# KiCad board APA102_Matrix.kicad_pcb (continued)
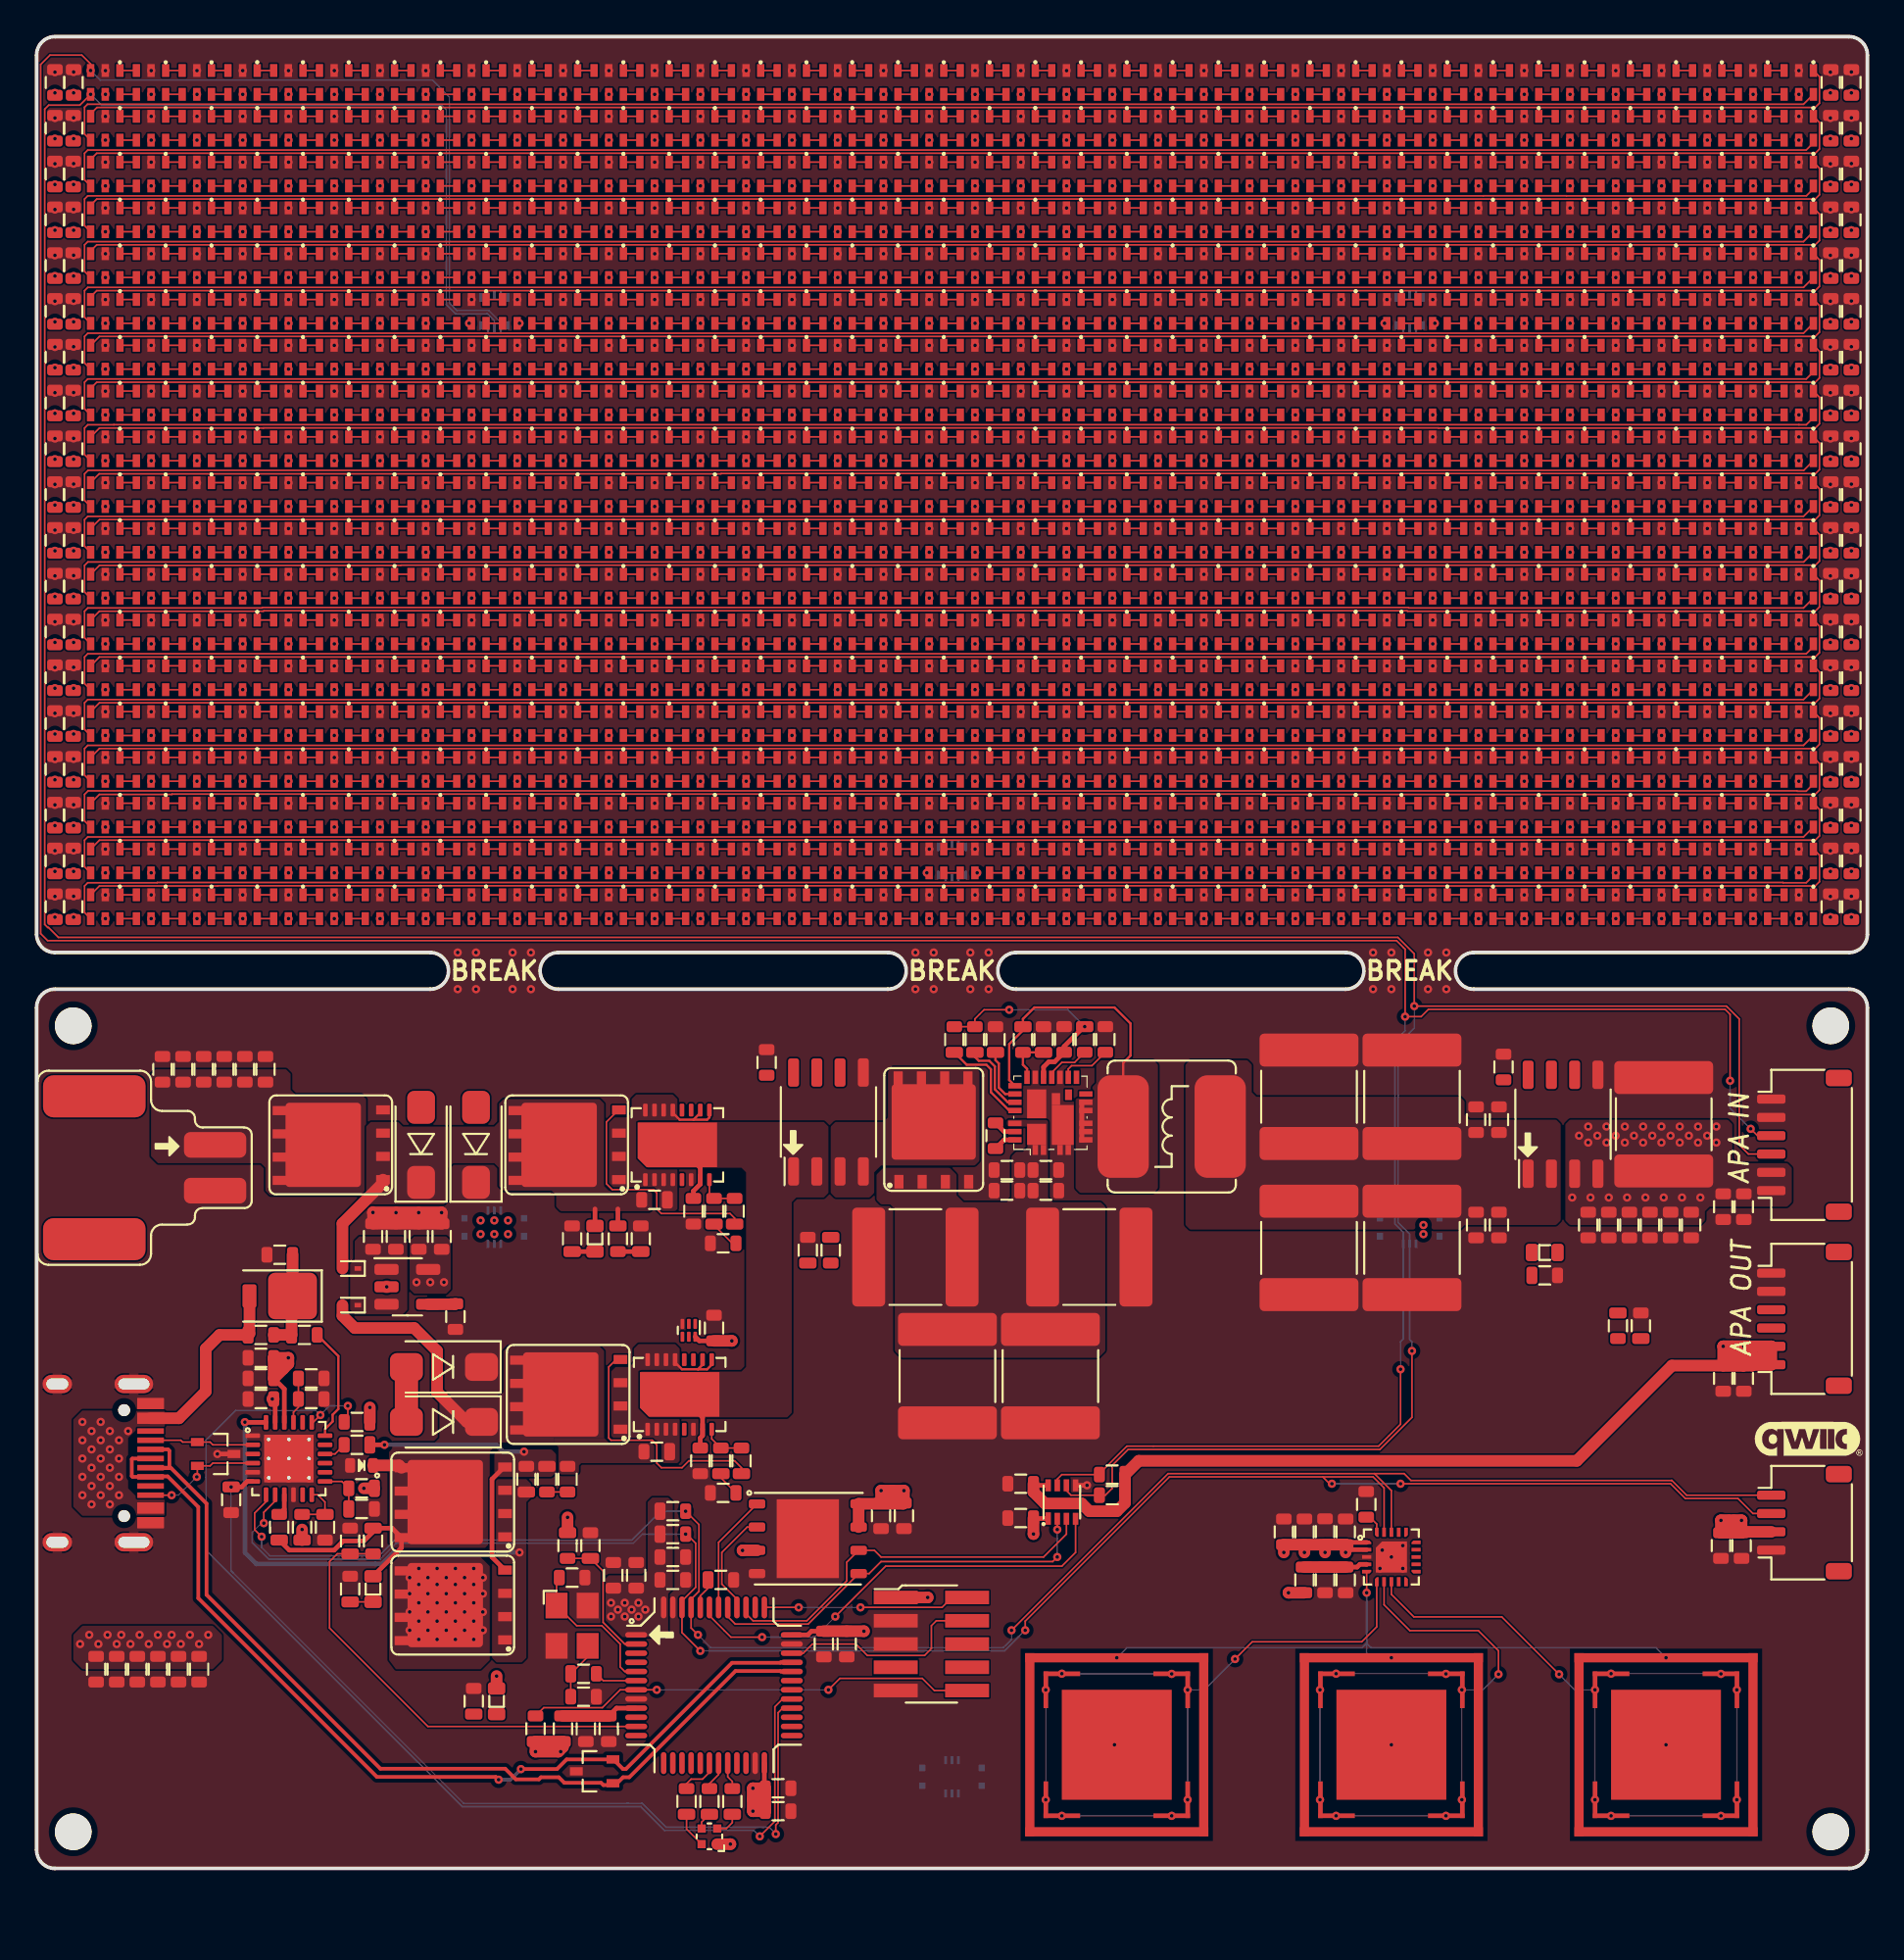
[diagram p0: board, top side]
## Routing (per net, layer and track width the routed paths; a pad name or vN(x,y) marks a point on that pad's centre or on a via; arc(x,y) is an arc through that point) (continued)
Net-(D315-Pad1): length 0.9
  F_PWR_SIGNAL.Cu w0.089: D315.1 D316.3
Net-(D315-Pad6): length 0.9
  F_PWR_SIGNAL.Cu w0.089: D315.6 D316.4
Net-(D316-Pad1): length 0.9
  F_PWR_SIGNAL.Cu w0.089: D316.1 D317.3
Net-(D316-Pad6): length 0.9
  F_PWR_SIGNAL.Cu w0.089: D316.6 D317.4
Net-(D317-Pad1): length 0.9
  F_PWR_SIGNAL.Cu w0.089: D317.1 D318.3
Net-(D317-Pad6): length 0.9
  F_PWR_SIGNAL.Cu w0.089: D317.6 D318.4
Net-(D318-Pad1): length 0.9
  F_PWR_SIGNAL.Cu w0.089: D318.1 D319.3
Net-(D318-Pad6): length 0.9
  F_PWR_SIGNAL.Cu w0.089: D318.6 D319.4
Net-(D319-Pad1): length 0.9
  F_PWR_SIGNAL.Cu w0.089: D319.1 D320.3
Net-(D319-Pad6): length 0.9
  F_PWR_SIGNAL.Cu w0.089: D319.6 D320.4
Net-(D320-Pad1): length 0.9
  F_PWR_SIGNAL.Cu w0.089: D320.1 D321.3
Net-(D320-Pad6): length 0.9
  F_PWR_SIGNAL.Cu w0.089: D320.6 D321.4
Net-(D321-Pad1): length 0.9
  F_PWR_SIGNAL.Cu w0.089: D321.1 D322.3
Net-(D321-Pad6): length 0.9
  F_PWR_SIGNAL.Cu w0.089: D321.6 D322.4
Net-(D322-Pad1): length 0.9
  F_PWR_SIGNAL.Cu w0.089: D322.1 D323.3
Net-(D322-Pad6): length 0.9
  F_PWR_SIGNAL.Cu w0.089: D322.6 D323.4
Net-(D323-Pad1): length 0.9
  F_PWR_SIGNAL.Cu w0.089: D323.1 D324.3
Net-(D323-Pad6): length 0.9
  F_PWR_SIGNAL.Cu w0.089: D323.6 D324.4
Net-(D324-Pad1): length 0.9
  F_PWR_SIGNAL.Cu w0.089: D324.1 D325.3
Net-(D324-Pad6): length 0.9
  F_PWR_SIGNAL.Cu w0.089: D324.6 D325.4
Net-(D325-Pad1): length 0.9
  F_PWR_SIGNAL.Cu w0.089: D325.1 D326.3
Net-(D325-Pad6): length 0.9
  F_PWR_SIGNAL.Cu w0.089: D325.6 D326.4
Net-(D326-Pad1): length 0.9
  F_PWR_SIGNAL.Cu w0.089: D326.1 D327.3
Net-(D326-Pad6): length 0.9
  F_PWR_SIGNAL.Cu w0.089: D326.6 D327.4
Net-(D327-Pad1): length 0.9
  F_PWR_SIGNAL.Cu w0.089: D327.1 D328.3
Net-(D327-Pad6): length 0.9
  F_PWR_SIGNAL.Cu w0.089: D327.6 D328.4
Net-(D328-Pad1): length 0.9
  F_PWR_SIGNAL.Cu w0.089: D328.1 D329.3
Net-(D328-Pad6): length 0.9
  F_PWR_SIGNAL.Cu w0.089: D328.6 D329.4
Net-(D329-Pad1): length 0.9
  F_PWR_SIGNAL.Cu w0.089: D329.1 D330.3
Net-(D329-Pad6): length 0.9
  F_PWR_SIGNAL.Cu w0.089: D329.6 D330.4
Net-(D330-Pad1): length 0.9
  F_PWR_SIGNAL.Cu w0.089: D330.1 D331.3
Net-(D330-Pad6): length 0.9
  F_PWR_SIGNAL.Cu w0.089: D330.6 D331.4
Net-(D331-Pad1): length 0.9
  F_PWR_SIGNAL.Cu w0.089: D331.1 D332.3
Net-(D331-Pad6): length 0.9
  F_PWR_SIGNAL.Cu w0.089: D331.6 D332.4
Net-(D332-Pad1): length 0.9
  F_PWR_SIGNAL.Cu w0.089: D332.1 D333.3
Net-(D332-Pad6): length 0.9
  F_PWR_SIGNAL.Cu w0.089: D332.6 D333.4
Net-(D333-Pad1): length 0.9
  F_PWR_SIGNAL.Cu w0.089: D333.1 D334.3
Net-(D333-Pad6): length 0.9
  F_PWR_SIGNAL.Cu w0.089: D333.6 D334.4
Net-(D334-Pad1): length 0.9
  F_PWR_SIGNAL.Cu w0.089: D334.1 D335.3
Net-(D334-Pad6): length 0.9
  F_PWR_SIGNAL.Cu w0.089: D334.6 D335.4
Net-(D335-Pad1): length 0.9
  F_PWR_SIGNAL.Cu w0.089: D335.1 D336.3
Net-(D335-Pad6): length 0.9
  F_PWR_SIGNAL.Cu w0.089: D335.6 D336.4
Net-(D336-Pad1): length 0.9
  F_PWR_SIGNAL.Cu w0.089: D336.1 D337.3
Net-(D336-Pad6): length 0.9
  F_PWR_SIGNAL.Cu w0.089: D336.6 D337.4
Net-(D337-Pad1): length 0.9
  F_PWR_SIGNAL.Cu w0.089: D337.1 D338.3
Net-(D337-Pad6): length 0.9
  F_PWR_SIGNAL.Cu w0.089: D337.6 D338.4
Net-(D338-Pad1): length 0.9
  F_PWR_SIGNAL.Cu w0.089: D338.1 D339.3
Net-(D338-Pad6): length 0.9
  F_PWR_SIGNAL.Cu w0.089: D338.6 D339.4
Net-(D339-Pad1): length 0.9
  F_PWR_SIGNAL.Cu w0.089: D339.1 D340.3
Net-(D339-Pad6): length 0.9
  F_PWR_SIGNAL.Cu w0.089: D339.6 D340.4
Net-(D340-Pad1): length 0.9
  F_PWR_SIGNAL.Cu w0.089: D340.1 D341.3
Net-(D340-Pad6): length 0.9
  F_PWR_SIGNAL.Cu w0.089: D340.6 D341.4
Net-(D341-Pad1): length 0.9
  F_PWR_SIGNAL.Cu w0.089: D341.1 D342.3
Net-(D341-Pad6): length 0.9
  F_PWR_SIGNAL.Cu w0.089: D341.6 D342.4
Net-(D343-Pad1): length 0.9
  F_PWR_SIGNAL.Cu w0.089: D343.1 D344.3
Net-(D343-Pad6): length 0.9
  F_PWR_SIGNAL.Cu w0.089: D343.6 D344.4
Net-(D344-Pad1): length 0.9
  F_PWR_SIGNAL.Cu w0.089: D344.1 D345.3
Net-(D344-Pad6): length 0.9
  F_PWR_SIGNAL.Cu w0.089: D344.6 D345.4
Net-(D345-Pad1): length 0.9
  F_PWR_SIGNAL.Cu w0.089: D345.1 D346.3
Net-(D345-Pad6): length 0.9
  F_PWR_SIGNAL.Cu w0.089: D345.6 D346.4
Net-(D346-Pad1): length 0.9
  F_PWR_SIGNAL.Cu w0.089: D346.1 D347.3
Net-(D346-Pad6): length 0.9
  F_PWR_SIGNAL.Cu w0.089: D346.6 D347.4
Net-(D347-Pad1): length 0.9
  F_PWR_SIGNAL.Cu w0.089: D347.1 D348.3
Net-(D347-Pad6): length 0.9
  F_PWR_SIGNAL.Cu w0.089: D347.6 D348.4
Net-(D348-Pad1): length 0.9
  F_PWR_SIGNAL.Cu w0.089: D348.1 D349.3
Net-(D348-Pad6): length 0.9
  F_PWR_SIGNAL.Cu w0.089: D348.6 D349.4
Net-(D349-Pad1): length 0.9
  F_PWR_SIGNAL.Cu w0.089: D349.1 D350.3
Net-(D349-Pad6): length 0.9
  F_PWR_SIGNAL.Cu w0.089: D349.6 D350.4
Net-(D350-Pad1): length 0.9
  F_PWR_SIGNAL.Cu w0.089: D350.1 D351.3
Net-(D350-Pad6): length 0.9
  F_PWR_SIGNAL.Cu w0.089: D350.6 D351.4
Net-(D351-Pad1): length 0.9
  F_PWR_SIGNAL.Cu w0.089: D351.1 D352.3
Net-(D351-Pad6): length 0.9
  F_PWR_SIGNAL.Cu w0.089: D351.6 D352.4
Net-(D352-Pad1): length 0.9
  F_PWR_SIGNAL.Cu w0.089: D352.1 D353.3
Net-(D352-Pad6): length 0.9
  F_PWR_SIGNAL.Cu w0.089: D352.6 D353.4
Net-(D353-Pad1): length 0.9
  F_PWR_SIGNAL.Cu w0.089: D353.1 D354.3
Net-(D353-Pad6): length 0.9
  F_PWR_SIGNAL.Cu w0.089: D353.6 D354.4
Net-(D354-Pad1): length 0.9
  F_PWR_SIGNAL.Cu w0.089: D354.1 D355.3
Net-(D354-Pad6): length 0.9
  F_PWR_SIGNAL.Cu w0.089: D354.6 D355.4
Net-(D355-Pad1): length 0.9
  F_PWR_SIGNAL.Cu w0.089: D355.1 D356.3
Net-(D355-Pad6): length 0.9
  F_PWR_SIGNAL.Cu w0.089: D355.6 D356.4
Net-(D356-Pad1): length 0.9
  F_PWR_SIGNAL.Cu w0.089: D356.1 D357.3
Net-(D356-Pad6): length 0.9
  F_PWR_SIGNAL.Cu w0.089: D356.6 D357.4
Net-(D357-Pad1): length 0.9
  F_PWR_SIGNAL.Cu w0.089: D357.1 D358.3
Net-(D357-Pad6): length 0.9
  F_PWR_SIGNAL.Cu w0.089: D357.6 D358.4
Net-(D358-Pad1): length 0.9
  F_PWR_SIGNAL.Cu w0.089: D358.1 D359.3
Net-(D358-Pad6): length 0.9
  F_PWR_SIGNAL.Cu w0.089: D358.6 D359.4
Net-(D359-Pad1): length 0.9
  F_PWR_SIGNAL.Cu w0.089: D359.1 D360.3
Net-(D359-Pad6): length 0.9
  F_PWR_SIGNAL.Cu w0.089: D359.6 D360.4
Net-(D360-Pad1): length 0.9
  F_PWR_SIGNAL.Cu w0.089: D360.1 D361.3
Net-(D360-Pad6): length 0.9
  F_PWR_SIGNAL.Cu w0.089: D360.6 D361.4
Net-(D361-Pad1): length 0.9
  F_PWR_SIGNAL.Cu w0.089: D361.1 D362.3
Net-(D361-Pad6): length 0.9
  F_PWR_SIGNAL.Cu w0.089: D361.6 D362.4
Net-(D362-Pad1): length 0.9
  F_PWR_SIGNAL.Cu w0.089: D362.1 D363.3
Net-(D362-Pad6): length 0.9
  F_PWR_SIGNAL.Cu w0.089: D362.6 D363.4
Net-(D363-Pad1): length 0.9
  F_PWR_SIGNAL.Cu w0.089: D363.1 D364.3
Net-(D363-Pad6): length 0.9
  F_PWR_SIGNAL.Cu w0.089: D363.6 D364.4
Net-(D364-Pad1): length 0.9
  F_PWR_SIGNAL.Cu w0.089: D364.1 D365.3
Net-(D364-Pad6): length 0.9
  F_PWR_SIGNAL.Cu w0.089: D364.6 D365.4
Net-(D365-Pad1): length 0.9
  F_PWR_SIGNAL.Cu w0.089: D365.1 D366.3
Net-(D365-Pad6): length 0.9
  F_PWR_SIGNAL.Cu w0.089: D365.6 D366.4
Net-(D366-Pad1): length 0.9
  F_PWR_SIGNAL.Cu w0.089: D366.1 D367.3
Net-(D366-Pad6): length 0.9
  F_PWR_SIGNAL.Cu w0.089: D366.6 D367.4
Net-(D367-Pad1): length 0.9
  F_PWR_SIGNAL.Cu w0.089: D367.1 D368.3
Net-(D367-Pad6): length 0.9
  F_PWR_SIGNAL.Cu w0.089: D367.6 D368.4
Net-(D368-Pad1): length 0.9
  F_PWR_SIGNAL.Cu w0.089: D368.1 D369.3
Net-(D368-Pad6): length 0.9
  F_PWR_SIGNAL.Cu w0.089: D368.6 D369.4
Net-(D369-Pad1): length 0.9
  F_PWR_SIGNAL.Cu w0.089: D369.1 D370.3
Net-(D369-Pad6): length 0.9
  F_PWR_SIGNAL.Cu w0.089: D369.6 D370.4
Net-(D370-Pad1): length 0.9
  F_PWR_SIGNAL.Cu w0.089: D370.1 D371.3
Net-(D370-Pad6): length 0.9
  F_PWR_SIGNAL.Cu w0.089: D370.6 D371.4
Net-(D371-Pad1): length 0.9
  F_PWR_SIGNAL.Cu w0.089: D371.1 D372.3
Net-(D371-Pad6): length 0.9
  F_PWR_SIGNAL.Cu w0.089: D371.6 D372.4
Net-(D372-Pad1): length 0.9
  F_PWR_SIGNAL.Cu w0.089: D372.1 D373.3
Net-(D372-Pad6): length 0.9
  F_PWR_SIGNAL.Cu w0.089: D372.6 D373.4
Net-(D373-Pad1): length 0.9
  F_PWR_SIGNAL.Cu w0.089: D373.1 D374.3
Net-(D373-Pad6): length 0.9
  F_PWR_SIGNAL.Cu w0.089: D373.6 D374.4
Net-(D374-Pad1): length 0.9
  F_PWR_SIGNAL.Cu w0.089: D374.1 D375.3
Net-(D374-Pad6): length 0.9
  F_PWR_SIGNAL.Cu w0.089: D374.6 D375.4
Net-(D375-Pad1): length 0.9
  F_PWR_SIGNAL.Cu w0.089: D375.1 D376.3
Net-(D375-Pad6): length 0.9
  F_PWR_SIGNAL.Cu w0.089: D375.6 D376.4
Net-(D376-Pad1): length 0.9
  F_PWR_SIGNAL.Cu w0.089: D376.1 D377.3
Net-(D376-Pad6): length 0.9
  F_PWR_SIGNAL.Cu w0.089: D376.6 D377.4
Net-(D377-Pad1): length 0.9
  F_PWR_SIGNAL.Cu w0.089: D377.1 D378.3
Net-(D377-Pad6): length 0.9
  F_PWR_SIGNAL.Cu w0.089: D377.6 D378.4
Net-(D378-Pad1): length 0.9
  F_PWR_SIGNAL.Cu w0.089: D378.1 D379.3
Net-(D378-Pad6): length 0.9
  F_PWR_SIGNAL.Cu w0.089: D378.6 D379.4
Net-(D379-Pad1): length 0.9
  F_PWR_SIGNAL.Cu w0.089: D379.1 D380.3
Net-(D379-Pad6): length 0.9
  F_PWR_SIGNAL.Cu w0.089: D379.6 D380.4
Net-(D381-Pad1): length 0.9
  F_PWR_SIGNAL.Cu w0.089: D381.1 D382.3
Net-(D381-Pad6): length 0.9
  F_PWR_SIGNAL.Cu w0.089: D381.6 D382.4
Net-(D382-Pad1): length 0.9
  F_PWR_SIGNAL.Cu w0.089: D382.1 D383.3
Net-(D382-Pad6): length 0.9
  F_PWR_SIGNAL.Cu w0.089: D382.6 D383.4
Net-(D383-Pad1): length 0.9
  F_PWR_SIGNAL.Cu w0.089: D383.1 D384.3
Net-(D383-Pad6): length 0.9
  F_PWR_SIGNAL.Cu w0.089: D383.6 D384.4
Net-(D384-Pad1): length 0.9
  F_PWR_SIGNAL.Cu w0.089: D384.1 D385.3
Net-(D384-Pad6): length 0.9
  F_PWR_SIGNAL.Cu w0.089: D384.6 D385.4
Net-(D385-Pad1): length 0.9
  F_PWR_SIGNAL.Cu w0.089: D385.1 D386.3
Net-(D385-Pad6): length 0.9
  F_PWR_SIGNAL.Cu w0.089: D385.6 D386.4
Net-(D386-Pad1): length 0.9
  F_PWR_SIGNAL.Cu w0.089: D386.1 D387.3
Net-(D386-Pad6): length 0.9
  F_PWR_SIGNAL.Cu w0.089: D386.6 D387.4
Net-(D387-Pad1): length 0.9
  F_PWR_SIGNAL.Cu w0.089: D387.1 D388.3
Net-(D387-Pad6): length 0.9
  F_PWR_SIGNAL.Cu w0.089: D387.6 D388.4
Net-(D388-Pad1): length 0.9
  F_PWR_SIGNAL.Cu w0.089: D388.1 D389.3
Net-(D388-Pad6): length 0.9
  F_PWR_SIGNAL.Cu w0.089: D388.6 D389.4
Net-(D389-Pad1): length 0.9
  F_PWR_SIGNAL.Cu w0.089: D389.1 D390.3
Net-(D389-Pad6): length 0.9
  F_PWR_SIGNAL.Cu w0.089: D389.6 D390.4
Net-(D390-Pad1): length 0.9
  F_PWR_SIGNAL.Cu w0.089: D390.1 D391.3
Net-(D390-Pad6): length 0.9
  F_PWR_SIGNAL.Cu w0.089: D390.6 D391.4
Net-(D391-Pad1): length 0.9
  F_PWR_SIGNAL.Cu w0.089: D391.1 D392.3
Net-(D391-Pad6): length 0.9
  F_PWR_SIGNAL.Cu w0.089: D391.6 D392.4
Net-(D392-Pad1): length 0.9
  F_PWR_SIGNAL.Cu w0.089: D392.1 D393.3
Net-(D392-Pad6): length 0.9
  F_PWR_SIGNAL.Cu w0.089: D392.6 D393.4
Net-(D393-Pad1): length 0.9
  F_PWR_SIGNAL.Cu w0.089: D393.1 D394.3
Net-(D393-Pad6): length 0.9
  F_PWR_SIGNAL.Cu w0.089: D393.6 D394.4
Net-(D394-Pad1): length 0.9
  F_PWR_SIGNAL.Cu w0.089: D394.1 D395.3
Net-(D394-Pad6): length 0.9
  F_PWR_SIGNAL.Cu w0.089: D394.6 D395.4
Net-(D395-Pad1): length 0.9
  F_PWR_SIGNAL.Cu w0.089: D395.1 D396.3
Net-(D395-Pad6): length 0.9
  F_PWR_SIGNAL.Cu w0.089: D395.6 D396.4
Net-(D396-Pad1): length 0.9
  F_PWR_SIGNAL.Cu w0.089: D396.1 D397.3
Net-(D396-Pad6): length 0.9
  F_PWR_SIGNAL.Cu w0.089: D396.6 D397.4
Net-(D397-Pad1): length 0.9
  F_PWR_SIGNAL.Cu w0.089: D397.1 D398.3
Net-(D397-Pad6): length 0.9
  F_PWR_SIGNAL.Cu w0.089: D397.6 D398.4
Net-(D398-Pad1): length 0.9
  F_PWR_SIGNAL.Cu w0.089: D398.1 D399.3
Net-(D398-Pad6): length 0.9
  F_PWR_SIGNAL.Cu w0.089: D398.6 D399.4
Net-(D399-Pad1): length 0.9
  F_PWR_SIGNAL.Cu w0.089: D399.1 D400.3
Net-(D399-Pad6): length 0.9
  F_PWR_SIGNAL.Cu w0.089: D399.6 D400.4
Net-(D400-Pad1): length 0.9
  F_PWR_SIGNAL.Cu w0.089: D400.1 D401.3
Net-(D400-Pad6): length 0.9
  F_PWR_SIGNAL.Cu w0.089: D400.6 D401.4
Net-(D401-Pad1): length 0.9
  F_PWR_SIGNAL.Cu w0.089: D401.1 D402.3
Net-(D401-Pad6): length 0.9
  F_PWR_SIGNAL.Cu w0.089: D401.6 D402.4
Net-(D402-Pad1): length 0.9
  F_PWR_SIGNAL.Cu w0.089: D402.1 D403.3
Net-(D402-Pad6): length 0.9
  F_PWR_SIGNAL.Cu w0.089: D402.6 D403.4
Net-(D403-Pad1): length 0.9
  F_PWR_SIGNAL.Cu w0.089: D403.1 D404.3
Net-(D403-Pad6): length 0.9
  F_PWR_SIGNAL.Cu w0.089: D403.6 D404.4
Net-(D404-Pad1): length 0.9
  F_PWR_SIGNAL.Cu w0.089: D404.1 D405.3
Net-(D404-Pad6): length 0.9
  F_PWR_SIGNAL.Cu w0.089: D404.6 D405.4
Net-(D405-Pad1): length 0.9
  F_PWR_SIGNAL.Cu w0.089: D405.1 D406.3
Net-(D405-Pad6): length 0.9
  F_PWR_SIGNAL.Cu w0.089: D405.6 D406.4
Net-(D406-Pad1): length 0.9
  F_PWR_SIGNAL.Cu w0.089: D406.1 D407.3
Net-(D406-Pad6): length 0.9
  F_PWR_SIGNAL.Cu w0.089: D406.6 D407.4
Net-(D407-Pad1): length 0.9
  F_PWR_SIGNAL.Cu w0.089: D407.1 D408.3
Net-(D407-Pad6): length 0.9
  F_PWR_SIGNAL.Cu w0.089: D407.6 D408.4
Net-(D408-Pad1): length 0.9
  F_PWR_SIGNAL.Cu w0.089: D408.1 D409.3
Net-(D408-Pad6): length 0.9
  F_PWR_SIGNAL.Cu w0.089: D408.6 D409.4
Net-(D409-Pad1): length 0.9
  F_PWR_SIGNAL.Cu w0.089: D409.1 D410.3
Net-(D409-Pad6): length 0.9
  F_PWR_SIGNAL.Cu w0.089: D409.6 D410.4
Net-(D410-Pad1): length 0.9
  F_PWR_SIGNAL.Cu w0.089: D410.1 D411.3
Net-(D410-Pad6): length 0.9
  F_PWR_SIGNAL.Cu w0.089: D410.6 D411.4
Net-(D411-Pad1): length 0.9
  F_PWR_SIGNAL.Cu w0.089: D411.1 D412.3
Net-(D411-Pad6): length 0.9
  F_PWR_SIGNAL.Cu w0.089: D411.6 D412.4
Net-(D412-Pad1): length 0.9
  F_PWR_SIGNAL.Cu w0.089: D412.1 D413.3
Net-(D412-Pad6): length 0.9
  F_PWR_SIGNAL.Cu w0.089: D412.6 D413.4
Net-(D413-Pad1): length 0.9
  F_PWR_SIGNAL.Cu w0.089: D413.1 D414.3
Net-(D413-Pad6): length 0.9
  F_PWR_SIGNAL.Cu w0.089: D413.6 D414.4
Net-(D414-Pad1): length 0.9
  F_PWR_SIGNAL.Cu w0.089: D414.1 D415.3
Net-(D414-Pad6): length 0.9
  F_PWR_SIGNAL.Cu w0.089: D414.6 D415.4
Net-(D415-Pad1): length 0.9
  F_PWR_SIGNAL.Cu w0.089: D415.1 D416.3
Net-(D415-Pad6): length 0.9
  F_PWR_SIGNAL.Cu w0.089: D415.6 D416.4
Net-(D416-Pad1): length 0.9
  F_PWR_SIGNAL.Cu w0.089: D416.1 D417.3
Net-(D416-Pad6): length 0.9
  F_PWR_SIGNAL.Cu w0.089: D416.6 D417.4
Net-(D417-Pad1): length 0.9
  F_PWR_SIGNAL.Cu w0.089: D417.1 D418.3
Net-(D417-Pad6): length 0.9
  F_PWR_SIGNAL.Cu w0.089: D417.6 D418.4
Net-(D419-Pad1): length 0.9
  F_PWR_SIGNAL.Cu w0.089: D419.1 D420.3
Net-(D419-Pad6): length 0.9
  F_PWR_SIGNAL.Cu w0.089: D419.6 D420.4
Net-(D420-Pad1): length 0.9
  F_PWR_SIGNAL.Cu w0.089: D420.1 D421.3
Net-(D420-Pad6): length 0.9
  F_PWR_SIGNAL.Cu w0.089: D420.6 D421.4
Net-(D421-Pad1): length 0.9
  F_PWR_SIGNAL.Cu w0.089: D421.1 D422.3
Net-(D421-Pad6): length 0.9
  F_PWR_SIGNAL.Cu w0.089: D421.6 D422.4
Net-(D422-Pad1): length 0.9
  F_PWR_SIGNAL.Cu w0.089: D422.1 D423.3
Net-(D422-Pad6): length 0.9
  F_PWR_SIGNAL.Cu w0.089: D422.6 D423.4
Net-(D423-Pad1): length 0.9
  F_PWR_SIGNAL.Cu w0.089: D423.1 D424.3
Net-(D423-Pad6): length 0.9
  F_PWR_SIGNAL.Cu w0.089: D423.6 D424.4
Net-(D424-Pad1): length 0.9
  F_PWR_SIGNAL.Cu w0.089: D424.1 D425.3
Net-(D424-Pad6): length 0.9
  F_PWR_SIGNAL.Cu w0.089: D424.6 D425.4
Net-(D425-Pad1): length 0.9
  F_PWR_SIGNAL.Cu w0.089: D425.1 D426.3
Net-(D425-Pad6): length 0.9
  F_PWR_SIGNAL.Cu w0.089: D425.6 D426.4
Net-(D426-Pad1): length 0.9
  F_PWR_SIGNAL.Cu w0.089: D426.1 D427.3
Net-(D426-Pad6): length 0.9
  F_PWR_SIGNAL.Cu w0.089: D426.6 D427.4
Net-(D427-Pad1): length 0.9
  F_PWR_SIGNAL.Cu w0.089: D427.1 D428.3
Net-(D427-Pad6): length 0.9
  F_PWR_SIGNAL.Cu w0.089: D427.6 D428.4
Net-(D428-Pad1): length 0.9
  F_PWR_SIGNAL.Cu w0.089: D428.1 D429.3
Net-(D428-Pad6): length 0.9
  F_PWR_SIGNAL.Cu w0.089: D428.6 D429.4
Net-(D429-Pad1): length 0.9
  F_PWR_SIGNAL.Cu w0.089: D429.1 D430.3
Net-(D429-Pad6): length 0.9
  F_PWR_SIGNAL.Cu w0.089: D429.6 D430.4
Net-(D430-Pad1): length 0.9
  F_PWR_SIGNAL.Cu w0.089: D430.1 D431.3
Net-(D430-Pad6): length 0.9
  F_PWR_SIGNAL.Cu w0.089: D430.6 D431.4
Net-(D431-Pad1): length 0.9
  F_PWR_SIGNAL.Cu w0.089: D431.1 D432.3
Net-(D431-Pad6): length 0.9
  F_PWR_SIGNAL.Cu w0.089: D431.6 D432.4
Net-(D432-Pad1): length 0.9
  F_PWR_SIGNAL.Cu w0.089: D432.1 D433.3
Net-(D432-Pad6): length 0.9
  F_PWR_SIGNAL.Cu w0.089: D432.6 D433.4
Net-(D433-Pad1): length 0.9
  F_PWR_SIGNAL.Cu w0.089: D433.1 D434.3
Net-(D433-Pad6): length 0.9
  F_PWR_SIGNAL.Cu w0.089: D433.6 D434.4
Net-(D434-Pad1): length 0.9
  F_PWR_SIGNAL.Cu w0.089: D434.1 D435.3
Net-(D434-Pad6): length 0.9
  F_PWR_SIGNAL.Cu w0.089: D434.6 D435.4
Net-(D435-Pad1): length 0.9
  F_PWR_SIGNAL.Cu w0.089: D435.1 D436.3
Net-(D435-Pad6): length 0.9
  F_PWR_SIGNAL.Cu w0.089: D435.6 D436.4
Net-(D436-Pad1): length 0.9
  F_PWR_SIGNAL.Cu w0.089: D436.1 D437.3
Net-(D436-Pad6): length 0.9
  F_PWR_SIGNAL.Cu w0.089: D436.6 D437.4
Net-(D437-Pad1): length 0.9
  F_PWR_SIGNAL.Cu w0.089: D437.1 D438.3
Net-(D437-Pad6): length 0.9
  F_PWR_SIGNAL.Cu w0.089: D437.6 D438.4
Net-(D438-Pad1): length 0.9
  F_PWR_SIGNAL.Cu w0.089: D438.1 D439.3
Net-(D438-Pad6): length 0.9
  F_PWR_SIGNAL.Cu w0.089: D438.6 D439.4
Net-(D439-Pad1): length 0.9
  F_PWR_SIGNAL.Cu w0.089: D439.1 D440.3
Net-(D439-Pad6): length 0.9
  F_PWR_SIGNAL.Cu w0.089: D439.6 D440.4
Net-(D440-Pad1): length 0.9
  F_PWR_SIGNAL.Cu w0.089: D440.1 D441.3
Net-(D440-Pad6): length 0.9
  F_PWR_SIGNAL.Cu w0.089: D440.6 D441.4
Net-(D441-Pad1): length 0.9
  F_PWR_SIGNAL.Cu w0.089: D441.1 D442.3
Net-(D441-Pad6): length 0.9
  F_PWR_SIGNAL.Cu w0.089: D441.6 D442.4
Net-(D442-Pad1): length 0.9
  F_PWR_SIGNAL.Cu w0.089: D442.1 D443.3
Net-(D442-Pad6): length 0.9
  F_PWR_SIGNAL.Cu w0.089: D442.6 D443.4
Net-(D443-Pad1): length 0.9
  F_PWR_SIGNAL.Cu w0.089: D443.1 D444.3
Net-(D443-Pad6): length 0.9
  F_PWR_SIGNAL.Cu w0.089: D443.6 D444.4
Net-(D444-Pad1): length 0.9
  F_PWR_SIGNAL.Cu w0.089: D444.1 D445.3
Net-(D444-Pad6): length 0.9
  F_PWR_SIGNAL.Cu w0.089: D444.6 D445.4
Net-(D445-Pad1): length 0.9
  F_PWR_SIGNAL.Cu w0.089: D445.1 D446.3
Net-(D445-Pad6): length 0.9
  F_PWR_SIGNAL.Cu w0.089: D445.6 D446.4
Net-(D446-Pad1): length 0.9
  F_PWR_SIGNAL.Cu w0.089: D446.1 D447.3
Net-(D446-Pad6): length 0.9
  F_PWR_SIGNAL.Cu w0.089: D446.6 D447.4
Net-(D447-Pad1): length 0.9
  F_PWR_SIGNAL.Cu w0.089: D447.1 D448.3
Net-(D447-Pad6): length 0.9
  F_PWR_SIGNAL.Cu w0.089: D447.6 D448.4
Net-(D448-Pad1): length 0.9
  F_PWR_SIGNAL.Cu w0.089: D448.1 D449.3
Net-(D448-Pad6): length 0.9
  F_PWR_SIGNAL.Cu w0.089: D448.6 D449.4
Net-(D449-Pad1): length 0.9
  F_PWR_SIGNAL.Cu w0.089: D449.1 D450.3
Net-(D449-Pad6): length 0.9
  F_PWR_SIGNAL.Cu w0.089: D449.6 D450.4
Net-(D450-Pad1): length 0.9
  F_PWR_SIGNAL.Cu w0.089: D450.1 D451.3
Net-(D450-Pad6): length 0.9
  F_PWR_SIGNAL.Cu w0.089: D450.6 D451.4
Net-(D451-Pad1): length 0.9
  F_PWR_SIGNAL.Cu w0.089: D451.1 D452.3
Net-(D451-Pad6): length 0.9
  F_PWR_SIGNAL.Cu w0.089: D451.6 D452.4
Net-(D452-Pad1): length 0.9
  F_PWR_SIGNAL.Cu w0.089: D452.1 D453.3
Net-(D452-Pad6): length 0.9
  F_PWR_SIGNAL.Cu w0.089: D452.6 D453.4
Net-(D453-Pad1): length 0.9
  F_PWR_SIGNAL.Cu w0.089: D453.1 D454.3
Net-(D453-Pad6): length 0.9
  F_PWR_SIGNAL.Cu w0.089: D453.6 D454.4
Net-(D454-Pad1): length 0.9
  F_PWR_SIGNAL.Cu w0.089: D454.1 D455.3
Net-(D454-Pad6): length 0.9
  F_PWR_SIGNAL.Cu w0.089: D454.6 D455.4
Net-(D455-Pad1): length 0.9
  F_PWR_SIGNAL.Cu w0.089: D455.1 D456.3
Net-(D455-Pad6): length 0.9
  F_PWR_SIGNAL.Cu w0.089: D455.6 D456.4
Net-(D457-Pad1): length 0.9
  F_PWR_SIGNAL.Cu w0.089: D457.1 D458.3
Net-(D457-Pad6): length 0.9
  F_PWR_SIGNAL.Cu w0.089: D457.6 D458.4
Net-(D458-Pad1): length 0.9
  F_PWR_SIGNAL.Cu w0.089: D458.1 D459.3
Net-(D458-Pad6): length 0.9
  F_PWR_SIGNAL.Cu w0.089: D458.6 D459.4
Net-(D459-Pad1): length 0.9
  F_PWR_SIGNAL.Cu w0.089: D459.1 D460.3
Net-(D459-Pad6): length 0.9
  F_PWR_SIGNAL.Cu w0.089: D459.6 D460.4
Net-(D460-Pad1): length 0.9
  F_PWR_SIGNAL.Cu w0.089: D460.1 D461.3
Net-(D460-Pad6): length 0.9
  F_PWR_SIGNAL.Cu w0.089: D460.6 D461.4
Net-(D461-Pad1): length 0.9
  F_PWR_SIGNAL.Cu w0.089: D461.1 D462.3
Net-(D461-Pad6): length 0.9
  F_PWR_SIGNAL.Cu w0.089: D461.6 D462.4
Net-(D462-Pad1): length 0.9
  F_PWR_SIGNAL.Cu w0.089: D462.1 D463.3
Net-(D462-Pad6): length 0.9
  F_PWR_SIGNAL.Cu w0.089: D462.6 D463.4
Net-(D463-Pad1): length 0.9
  F_PWR_SIGNAL.Cu w0.089: D463.1 D464.3
Net-(D463-Pad6): length 0.9
  F_PWR_SIGNAL.Cu w0.089: D463.6 D464.4
Net-(D464-Pad1): length 0.9
  F_PWR_SIGNAL.Cu w0.089: D464.1 D465.3
Net-(D464-Pad6): length 0.9
  F_PWR_SIGNAL.Cu w0.089: D464.6 D465.4
Net-(D465-Pad1): length 0.9
  F_PWR_SIGNAL.Cu w0.089: D465.1 D466.3
Net-(D465-Pad6): length 0.9
  F_PWR_SIGNAL.Cu w0.089: D465.6 D466.4
Net-(D466-Pad1): length 0.9
  F_PWR_SIGNAL.Cu w0.089: D466.1 D467.3
Net-(D466-Pad6): length 0.9
  F_PWR_SIGNAL.Cu w0.089: D466.6 D467.4
Net-(D467-Pad1): length 0.9
  F_PWR_SIGNAL.Cu w0.089: D467.1 D468.3
Net-(D467-Pad6): length 0.9
  F_PWR_SIGNAL.Cu w0.089: D467.6 D468.4
Net-(D468-Pad1): length 0.9
  F_PWR_SIGNAL.Cu w0.089: D468.1 D469.3
Net-(D468-Pad6): length 0.9
  F_PWR_SIGNAL.Cu w0.089: D468.6 D469.4
Net-(D469-Pad1): length 0.9
  F_PWR_SIGNAL.Cu w0.089: D469.1 D470.3
Net-(D469-Pad6): length 0.9
  F_PWR_SIGNAL.Cu w0.089: D469.6 D470.4
Net-(D470-Pad1): length 0.9
  F_PWR_SIGNAL.Cu w0.089: D470.1 D471.3
Net-(D470-Pad6): length 0.9
  F_PWR_SIGNAL.Cu w0.089: D470.6 D471.4
Net-(D471-Pad1): length 0.9
  F_PWR_SIGNAL.Cu w0.089: D471.1 D472.3
Net-(D471-Pad6): length 0.9
  F_PWR_SIGNAL.Cu w0.089: D471.6 D472.4
Net-(D472-Pad1): length 0.9
  F_PWR_SIGNAL.Cu w0.089: D472.1 D473.3
Net-(D472-Pad6): length 0.9
  F_PWR_SIGNAL.Cu w0.089: D472.6 D473.4
Net-(D473-Pad1): length 0.9
  F_PWR_SIGNAL.Cu w0.089: D473.1 D474.3
Net-(D473-Pad6): length 0.9
  F_PWR_SIGNAL.Cu w0.089: D473.6 D474.4
Net-(D474-Pad1): length 0.9
  F_PWR_SIGNAL.Cu w0.089: D474.1 D475.3
Net-(D474-Pad6): length 0.9
  F_PWR_SIGNAL.Cu w0.089: D474.6 D475.4
Net-(D475-Pad1): length 0.9
  F_PWR_SIGNAL.Cu w0.089: D475.1 D476.3
Net-(D475-Pad6): length 0.9
  F_PWR_SIGNAL.Cu w0.089: D475.6 D476.4
Net-(D476-Pad1): length 0.9
  F_PWR_SIGNAL.Cu w0.089: D476.1 D477.3
Net-(D476-Pad6): length 0.9
  F_PWR_SIGNAL.Cu w0.089: D476.6 D477.4
Net-(D477-Pad1): length 0.9
  F_PWR_SIGNAL.Cu w0.089: D477.1 D478.3
Net-(D477-Pad6): length 0.9
  F_PWR_SIGNAL.Cu w0.089: D477.6 D478.4
Net-(D478-Pad1): length 0.9
  F_PWR_SIGNAL.Cu w0.089: D478.1 D479.3
Net-(D478-Pad6): length 0.9
  F_PWR_SIGNAL.Cu w0.089: D478.6 D479.4
Net-(D479-Pad1): length 0.9
  F_PWR_SIGNAL.Cu w0.089: D479.1 D480.3
Net-(D479-Pad6): length 0.9
  F_PWR_SIGNAL.Cu w0.089: D479.6 D480.4
Net-(D480-Pad1): length 0.9
  F_PWR_SIGNAL.Cu w0.089: D480.1 D481.3
Net-(D480-Pad6): length 0.9
  F_PWR_SIGNAL.Cu w0.089: D480.6 D481.4
Net-(D481-Pad1): length 0.9
  F_PWR_SIGNAL.Cu w0.089: D481.1 D482.3
Net-(D481-Pad6): length 0.9
  F_PWR_SIGNAL.Cu w0.089: D481.6 D482.4
Net-(D482-Pad1): length 0.9
  F_PWR_SIGNAL.Cu w0.089: D482.1 D483.3
Net-(D482-Pad6): length 0.9
  F_PWR_SIGNAL.Cu w0.089: D482.6 D483.4
Net-(D483-Pad1): length 0.9
  F_PWR_SIGNAL.Cu w0.089: D483.1 D484.3
Net-(D483-Pad6): length 0.9
  F_PWR_SIGNAL.Cu w0.089: D483.6 D484.4
Net-(D484-Pad1): length 0.9
  F_PWR_SIGNAL.Cu w0.089: D484.1 D485.3
Net-(D484-Pad6): length 0.9
  F_PWR_SIGNAL.Cu w0.089: D484.6 D485.4
Net-(D485-Pad1): length 0.9
  F_PWR_SIGNAL.Cu w0.089: D485.1 D486.3
Net-(D485-Pad6): length 0.9
  F_PWR_SIGNAL.Cu w0.089: D485.6 D486.4
Net-(D486-Pad1): length 0.9
  F_PWR_SIGNAL.Cu w0.089: D486.1 D487.3
Net-(D486-Pad6): length 0.9
  F_PWR_SIGNAL.Cu w0.089: D486.6 D487.4
Net-(D487-Pad1): length 0.9
  F_PWR_SIGNAL.Cu w0.089: D487.1 D488.3
Net-(D487-Pad6): length 0.9
  F_PWR_SIGNAL.Cu w0.089: D487.6 D488.4
Net-(D488-Pad1): length 0.9
  F_PWR_SIGNAL.Cu w0.089: D488.1 D489.3
Net-(D488-Pad6): length 0.9
  F_PWR_SIGNAL.Cu w0.089: D488.6 D489.4
Net-(D489-Pad1): length 0.9
  F_PWR_SIGNAL.Cu w0.089: D489.1 D490.3
Net-(D489-Pad6): length 0.9
  F_PWR_SIGNAL.Cu w0.089: D489.6 D490.4
Net-(D490-Pad1): length 0.9
  F_PWR_SIGNAL.Cu w0.089: D490.1 D491.3
Net-(D490-Pad6): length 0.9
  F_PWR_SIGNAL.Cu w0.089: D490.6 D491.4
Net-(D491-Pad1): length 0.9
  F_PWR_SIGNAL.Cu w0.089: D491.1 D492.3
Net-(D491-Pad6): length 0.9
  F_PWR_SIGNAL.Cu w0.089: D491.6 D492.4
Net-(D492-Pad1): length 0.9
  F_PWR_SIGNAL.Cu w0.089: D492.1 D493.3
Net-(D492-Pad6): length 0.9
  F_PWR_SIGNAL.Cu w0.089: D492.6 D493.4
Net-(D493-Pad1): length 0.9
  F_PWR_SIGNAL.Cu w0.089: D493.1 D494.3
Net-(D493-Pad6): length 0.9
  F_PWR_SIGNAL.Cu w0.089: D493.6 D494.4
Net-(D495-Pad1): length 0.9
  F_PWR_SIGNAL.Cu w0.089: D495.1 D496.3
Net-(D495-Pad6): length 0.9
  F_PWR_SIGNAL.Cu w0.089: D495.6 D496.4
Net-(D496-Pad1): length 0.9
  F_PWR_SIGNAL.Cu w0.089: D496.1 D497.3
Net-(D496-Pad6): length 0.9
  F_PWR_SIGNAL.Cu w0.089: D496.6 D497.4
Net-(D497-Pad1): length 0.9
  F_PWR_SIGNAL.Cu w0.089: D497.1 D498.3
Net-(D497-Pad6): length 0.9
  F_PWR_SIGNAL.Cu w0.089: D497.6 D498.4
Net-(D498-Pad1): length 0.9
  F_PWR_SIGNAL.Cu w0.089: D498.1 D499.3
Net-(D498-Pad6): length 0.9
  F_PWR_SIGNAL.Cu w0.089: D498.6 D499.4
Net-(D499-Pad1): length 0.9
  F_PWR_SIGNAL.Cu w0.089: D499.1 D500.3
Net-(D499-Pad6): length 0.9
  F_PWR_SIGNAL.Cu w0.089: D499.6 D500.4
Net-(D500-Pad1): length 0.9
  F_PWR_SIGNAL.Cu w0.089: D500.1 D501.3
Net-(D500-Pad6): length 0.9
  F_PWR_SIGNAL.Cu w0.089: D500.6 D501.4
Net-(D501-Pad1): length 0.9
  F_PWR_SIGNAL.Cu w0.089: D501.1 D502.3
Net-(D501-Pad6): length 0.9
  F_PWR_SIGNAL.Cu w0.089: D501.6 D502.4
Net-(D502-Pad1): length 0.9